# KiCad board demomatrix.kicad_pcb (continued)
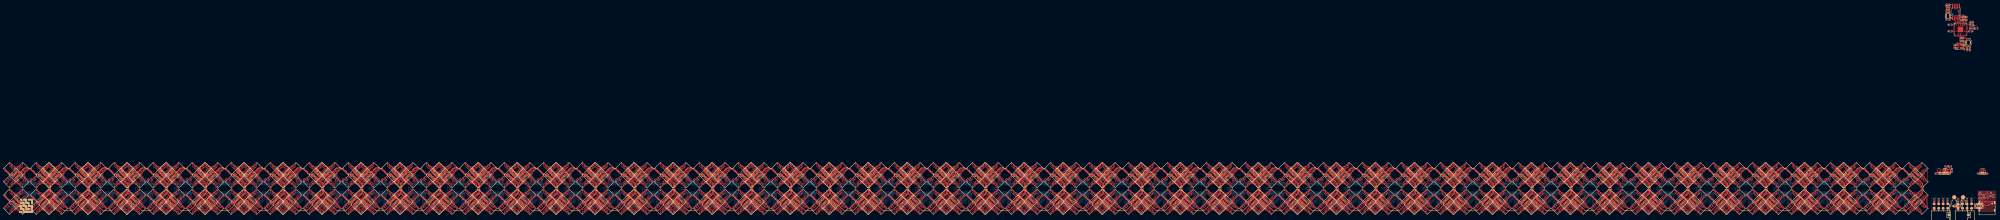
[diagram p0: board, top side]
## Routing (per net, layer and track width the routed paths; a pad name or vN(x,y) marks a point on that pad's centre or on a via; arc(x,y) is an arc through that point) (continued)
rgbs[3]-anodes-anode-645: length 12.8
  Top w0.2: LED743.1 -181.28,14.06 -181.28,14.1 -181.15,14.23 -181.22,14.31 -181.22,15.7 -183.37,17.85 -183.95,17.85 -184.64,17.17 -184.74,17.17 -185.43,17.85 -186.01,17.85 -186.8,17.06 -186.8,17.05 -186.86,16.99 -186.86,16.99 -188.16,15.7 -188.16,14.12 LED744.2
rgbs[3]-anodes-anode-646: length 3.9
  Top w0.2: LED743.5 -183.12,15.61 -184.11,15.61 -184.46,15.97 -184.92,15.97 -185.26,15.62 -186.46,15.62 LED744.6
rgbs[3]-anodes-anode-647: length 1.8
  Top w0.2: LED743.7 -183.9,16.53 -183.94,16.53 -184.11,16.37 -185.32,16.37 LED744.8
rgbs[3]-anodes-anode-648: length 9.5
  Top w0.2: LED748.4 -202.43,0.08 -202.43,0.87 -201.7,1.59 -201.69,1.59 -201.4,1.88 -201.4,1.89 -200.84,2.45 -200.59,2.45 -199.91,1.77 -199.47,1.77 -198.79,2.45 -198.54,2.45 -196.98,0.89 -196.98,0.08 -197.13,-0.07 -197.13,-0.1 LED747.3
rgbs[3]-anodes-anode-649: length 12.8
  Top w0.2: LED748.2 -203.16,-0.88 -203.16,0.7 -201.86,1.99 -201.86,1.99 -201.8,2.05 -201.8,2.06 -201.01,2.85 -200.43,2.85 -199.74,2.17 -199.64,2.17 -198.95,2.85 -198.37,2.85 -196.22,0.7 -196.22,-0.69 -196.15,-0.77 -196.28,-0.9 -196.28,-0.94 LED747.1
rgbs[3]-anodes-anode-650: length 3.9
  Top w0.2: LED747.5 -198.12,0.61 -199.11,0.61 -199.46,0.97 -199.92,0.97 -200.26,0.62 -201.46,0.62 LED748.6
rgbs[3]-anodes-anode-651: length 1.8
  Top w0.2: LED748.8 -200.32,1.37 -199.11,1.37 -198.94,1.53 -198.9,1.53 LED747.7
rgbs[3]-anodes-anode-652: length 9.5
  Top w0.2: LED751.3 -182.13,-0.1 -182.13,-0.07 -181.98,0.08 -181.98,0.89 -183.54,2.45 -183.79,2.45 -184.47,1.77 -184.91,1.77 -185.59,2.45 -185.84,2.45 -186.4,1.89 -186.4,1.88 -186.69,1.59 -186.7,1.59 -187.43,0.87 -187.43,0.08 LED752.4
rgbs[3]-anodes-anode-653: length 12.8
  Top w0.2: LED752.2 -188.16,-0.88 -188.16,0.7 -186.86,1.99 -186.86,1.99 -186.8,2.05 -186.8,2.06 -186.01,2.85 -185.43,2.85 -184.74,2.17 -184.64,2.17 -183.95,2.85 -183.37,2.85 -181.22,0.7 -181.22,-0.69 -181.15,-0.77 -181.28,-0.9 -181.28,-0.94 LED751.1
rgbs[3]-anodes-anode-654: length 3.9
  Top w0.2: LED751.5 -183.12,0.61 -184.11,0.61 -184.46,0.97 -184.92,0.97 -185.26,0.62 -186.46,0.62 LED752.6
rgbs[3]-anodes-anode-655: length 1.8
  Top w0.2: LED751.7 -183.9,1.53 -183.94,1.53 -184.11,1.37 -185.32,1.37 LED752.8
rgbs[3]-anodes-anode-656: length 9.5
  Top w0.2: LED755.3 -175.13,14.9 -175.13,14.93 -174.98,15.08 -174.98,15.89 -176.54,17.45 -176.79,17.45 -177.47,16.77 -177.91,16.77 -178.59,17.45 -178.84,17.45 -179.4,16.89 -179.4,16.88 -179.69,16.59 -179.7,16.59 -180.43,15.87 -180.43,15.08 LED756.4
rgbs[3]-anodes-anode-657: length 12.8
  Top w0.2: LED756.2 -181.16,14.12 -181.16,15.7 -179.86,16.99 -179.86,16.99 -179.8,17.05 -179.8,17.06 -179.01,17.85 -178.43,17.85 -177.74,17.17 -177.64,17.17 -176.95,17.85 -176.37,17.85 -174.22,15.7 -174.22,14.31 -174.15,14.23 -174.28,14.1 -174.28,14.06 LED755.1
rgbs[3]-anodes-anode-658: length 3.9
  Top w0.2: LED755.5 -176.12,15.61 -177.11,15.61 -177.46,15.97 -177.92,15.97 -178.26,15.62 -179.46,15.62 LED756.6
rgbs[3]-anodes-anode-659: length 1.8
  Top w0.2: LED755.7 -176.9,16.53 -176.94,16.53 -177.11,16.37 -178.32,16.37 LED756.8
rgbs[3]-anodes-anode-660: length 9.5
  Top w0.2: LED759.3 -160.13,14.9 -160.13,14.93 -159.98,15.08 -159.98,15.89 -161.54,17.45 -161.79,17.45 -162.47,16.77 -162.91,16.77 -163.59,17.45 -163.84,17.45 -164.4,16.89 -164.4,16.88 -164.69,16.59 -164.7,16.59 -165.43,15.87 -165.43,15.08 LED760.4
rgbs[3]-anodes-anode-661: length 12.8
  Top w0.2: LED759.1 -159.28,14.06 -159.28,14.1 -159.15,14.23 -159.22,14.31 -159.22,15.7 -161.37,17.85 -161.95,17.85 -162.64,17.17 -162.74,17.17 -163.43,17.85 -164.01,17.85 -164.8,17.06 -164.8,17.05 -164.86,16.99 -164.86,16.99 -166.16,15.7 -166.16,14.12 LED760.2
rgbs[3]-anodes-anode-662: length 3.9
  Top w0.2: LED759.5 -161.12,15.61 -162.11,15.61 -162.46,15.97 -162.92,15.97 -163.26,15.62 -164.46,15.62 LED760.6
rgbs[3]-anodes-anode-663: length 1.8
  Top w0.2: LED760.8 -163.32,16.37 -162.11,16.37 -161.94,16.53 -161.9,16.53 LED759.7
rgbs[3]-anodes-anode-664: length 9.5
  Top w0.2: LED763.3 -175.13,-0.1 -175.13,-0.07 -174.98,0.08 -174.98,0.89 -176.54,2.45 -176.79,2.45 -177.47,1.77 -177.91,1.77 -178.59,2.45 -178.84,2.45 -179.4,1.89 -179.4,1.88 -179.69,1.59 -179.7,1.59 -180.43,0.87 -180.43,0.08 LED764.4
rgbs[3]-anodes-anode-665: length 12.8
  Top w0.2: LED764.2 -181.16,-0.88 -181.16,0.7 -179.86,1.99 -179.86,1.99 -179.8,2.05 -179.8,2.06 -179.01,2.85 -178.43,2.85 -177.74,2.17 -177.64,2.17 -176.95,2.85 -176.37,2.85 -174.22,0.7 -174.22,-0.69 -174.15,-0.77 -174.28,-0.9 -174.28,-0.94 LED763.1
rgbs[3]-anodes-anode-666: length 3.9
  Top w0.2: LED763.5 -176.12,0.61 -177.11,0.61 -177.46,0.97 -177.92,0.97 -178.26,0.62 -179.46,0.62 LED764.6
rgbs[3]-anodes-anode-667: length 1.8
  Top w0.2: LED763.7 -176.9,1.53 -176.94,1.53 -177.11,1.37 -178.32,1.37 LED764.8
rgbs[3]-anodes-anode-668: length 9.5
  Top w0.2: LED768.4 -165.43,0.08 -165.43,0.87 -164.7,1.59 -164.69,1.59 -164.4,1.88 -164.4,1.89 -163.84,2.45 -163.59,2.45 -162.91,1.77 -162.47,1.77 -161.79,2.45 -161.54,2.45 -159.98,0.89 -159.98,0.08 -160.13,-0.07 -160.13,-0.1 LED767.3
rgbs[3]-anodes-anode-669: length 12.8
  Top w0.2: LED768.2 -166.16,-0.88 -166.16,0.7 -164.86,1.99 -164.86,1.99 -164.8,2.05 -164.8,2.06 -164.01,2.85 -163.43,2.85 -162.74,2.17 -162.64,2.17 -161.95,2.85 -161.37,2.85 -159.22,0.7 -159.22,-0.69 -159.15,-0.77 -159.28,-0.9 -159.28,-0.94 LED767.1
rgbs[3]-anodes-anode-670: length 3.9
  Top w0.2: LED768.6 -164.46,0.62 -163.26,0.62 -162.92,0.97 -162.46,0.97 -162.11,0.61 -161.12,0.61 LED767.5
rgbs[3]-anodes-anode-671: length 1.8
  Top w0.2: LED768.8 -163.32,1.37 -162.11,1.37 -161.94,1.53 -161.9,1.53 LED767.7
rgbs[3]-anodes-anode-672: length 9.5
  Top w0.2: LED772.4 -158.43,15.08 -158.43,15.87 -157.7,16.59 -157.69,16.59 -157.4,16.88 -157.4,16.89 -156.84,17.45 -156.59,17.45 -155.91,16.77 -155.47,16.77 -154.79,17.45 -154.54,17.45 -152.98,15.89 -152.98,15.08 -153.13,14.93 -153.13,14.9 LED771.3
rgbs[3]-anodes-anode-673: length 12.8
  Top w0.2: LED771.1 -152.28,14.06 -152.28,14.1 -152.15,14.23 -152.22,14.31 -152.22,15.7 -154.37,17.85 -154.95,17.85 -155.64,17.17 -155.74,17.17 -156.43,17.85 -157.01,17.85 -157.8,17.06 -157.8,17.05 -157.86,16.99 -157.86,16.99 -159.16,15.7 -159.16,14.12 LED772.2
rgbs[3]-anodes-anode-674: length 3.9
  Top w0.2: LED771.5 -154.12,15.61 -155.11,15.61 -155.46,15.97 -155.92,15.97 -156.26,15.62 -157.46,15.62 LED772.6
rgbs[3]-anodes-anode-675: length 1.8
  Top w0.2: LED771.7 -154.9,16.53 -154.94,16.53 -155.11,16.37 -156.32,16.37 LED772.8
rgbs[3]-anodes-anode-676: length 9.5
  Top w0.2: LED775.3 -138.13,14.9 -138.13,14.93 -137.98,15.08 -137.98,15.89 -139.54,17.45 -139.79,17.45 -140.47,16.77 -140.91,16.77 -141.59,17.45 -141.84,17.45 -142.4,16.89 -142.4,16.88 -142.69,16.59 -142.7,16.59 -143.43,15.87 -143.43,15.08 LED776.4
rgbs[3]-anodes-anode-677: length 12.8
  Top w0.2: LED775.1 -137.28,14.06 -137.28,14.1 -137.15,14.23 -137.22,14.31 -137.22,15.7 -139.37,17.85 -139.95,17.85 -140.64,17.17 -140.74,17.17 -141.43,17.85 -142.01,17.85 -142.8,17.06 -142.8,17.05 -142.86,16.99 -142.86,16.99 -144.16,15.7 -144.16,14.12 LED776.2
rgbs[3]-anodes-anode-678: length 3.9
  Top w0.2: LED776.6 -142.46,15.62 -141.26,15.62 -140.92,15.97 -140.46,15.97 -140.11,15.61 -139.12,15.61 LED775.5
rgbs[3]-anodes-anode-679: length 1.8
  Top w0.2: LED775.7 -139.9,16.53 -139.94,16.53 -140.11,16.37 -141.32,16.37 LED776.8
rgbs[3]-anodes-anode-680: length 9.5
  Top w0.2: LED780.4 -158.43,0.08 -158.43,0.87 -157.7,1.59 -157.69,1.59 -157.4,1.88 -157.4,1.89 -156.84,2.45 -156.59,2.45 -155.91,1.77 -155.47,1.77 -154.79,2.45 -154.54,2.45 -152.98,0.89 -152.98,0.08 -153.13,-0.07 -153.13,-0.1 LED779.3
rgbs[3]-anodes-anode-681: length 12.8
  Top w0.2: LED780.2 -159.16,-0.88 -159.16,0.7 -157.86,1.99 -157.86,1.99 -157.8,2.05 -157.8,2.06 -157.01,2.85 -156.43,2.85 -155.74,2.17 -155.64,2.17 -154.95,2.85 -154.37,2.85 -152.22,0.7 -152.22,-0.69 -152.15,-0.77 -152.28,-0.9 -152.28,-0.94 LED779.1
rgbs[3]-anodes-anode-682: length 3.9
  Top w0.2: LED780.6 -157.46,0.62 -156.26,0.62 -155.92,0.97 -155.46,0.97 -155.11,0.61 -154.12,0.61 LED779.5
rgbs[3]-anodes-anode-683: length 1.8
  Top w0.2: LED779.7 -154.9,1.53 -154.94,1.53 -155.11,1.37 -156.32,1.37 LED780.8
rgbs[3]-anodes-anode-684: length 9.5
  Top w0.2: LED784.4 -143.43,0.08 -143.43,0.87 -142.7,1.59 -142.69,1.59 -142.4,1.88 -142.4,1.89 -141.84,2.45 -141.59,2.45 -140.91,1.77 -140.47,1.77 -139.79,2.45 -139.54,2.45 -137.98,0.89 -137.98,0.08 -138.13,-0.07 -138.13,-0.1 LED783.3
rgbs[3]-anodes-anode-685: length 12.8
  Top w0.2: LED783.1 -137.28,-0.94 -137.28,-0.9 -137.15,-0.77 -137.22,-0.69 -137.22,0.7 -139.37,2.85 -139.95,2.85 -140.64,2.17 -140.74,2.17 -141.43,2.85 -142.01,2.85 -142.8,2.06 -142.8,2.05 -142.86,1.99 -142.86,1.99 -144.16,0.7 -144.16,-0.88 LED784.2
rgbs[3]-anodes-anode-686: length 3.9
  Top w0.2: LED784.6 -142.46,0.62 -141.26,0.62 -140.92,0.97 -140.46,0.97 -140.11,0.61 -139.12,0.61 LED783.5
rgbs[3]-anodes-anode-687: length 1.8
  Top w0.2: LED784.8 -141.32,1.37 -140.11,1.37 -139.94,1.53 -139.9,1.53 LED783.7
rgbs[3]-anodes-anode-688: length 9.5
  Top w0.2: LED68.4 -136.43,15.08 -136.43,15.87 -135.7,16.59 -135.69,16.59 -135.4,16.88 -135.4,16.89 -134.84,17.45 -134.59,17.45 -133.91,16.77 -133.47,16.77 -132.79,17.45 -132.54,17.45 -130.98,15.89 -130.98,15.08 -131.13,14.93 -131.13,14.9 LED67.3
rgbs[3]-anodes-anode-689: length 12.8
  Top w0.2: LED67.1 -130.28,14.06 -130.28,14.1 -130.15,14.23 -130.22,14.31 -130.22,15.7 -132.37,17.85 -132.95,17.85 -133.64,17.17 -133.74,17.17 -134.43,17.85 -135.01,17.85 -135.8,17.06 -135.8,17.05 -135.86,16.99 -135.86,16.99 -137.16,15.7 -137.16,14.12 LED68.2
rgbs[3]-anodes-anode-690: length 3.9
  Top w0.2: LED67.5 -132.12,15.61 -133.11,15.61 -133.46,15.97 -133.92,15.97 -134.26,15.62 -135.46,15.62 LED68.6
rgbs[3]-anodes-anode-691: length 1.8
  Top w0.2: LED68.8 -134.32,16.37 -133.11,16.37 -132.94,16.53 -132.9,16.53 LED67.7
rgbs[3]-anodes-anode-692: length 9.5
  Top w0.2: LED72.4 -121.43,15.08 -121.43,15.87 -120.7,16.59 -120.69,16.59 -120.4,16.88 -120.4,16.89 -119.84,17.45 -119.59,17.45 -118.91,16.77 -118.47,16.77 -117.79,17.45 -117.54,17.45 -115.98,15.89 -115.98,15.08 -116.13,14.93 -116.13,14.9 LED71.3
rgbs[3]-anodes-anode-693: length 12.8
  Top w0.2: LED72.2 -122.16,14.12 -122.16,15.7 -120.86,16.99 -120.86,16.99 -120.8,17.05 -120.8,17.06 -120.01,17.85 -119.43,17.85 -118.74,17.17 -118.64,17.17 -117.95,17.85 -117.37,17.85 -115.22,15.7 -115.22,14.31 -115.15,14.23 -115.28,14.1 -115.28,14.06 LED71.1
rgbs[3]-anodes-anode-694: length 3.9
  Top w0.2: LED71.5 -117.12,15.61 -118.11,15.61 -118.46,15.97 -118.92,15.97 -119.26,15.62 -120.46,15.62 LED72.6
rgbs[3]-anodes-anode-695: length 1.8
  Top w0.2: LED72.8 -119.32,16.37 -118.11,16.37 -117.94,16.53 -117.9,16.53 LED71.7
rgbs[3]-anodes-anode-696: length 9.5
  Top w0.2: LED76.4 -136.43,0.08 -136.43,0.87 -135.7,1.59 -135.69,1.59 -135.4,1.88 -135.4,1.89 -134.84,2.45 -134.59,2.45 -133.91,1.77 -133.47,1.77 -132.79,2.45 -132.54,2.45 -130.98,0.89 -130.98,0.08 -131.13,-0.07 -131.13,-0.1 LED75.3
rgbs[3]-anodes-anode-697: length 12.8
  Top w0.2: LED76.2 -137.16,-0.88 -137.16,0.7 -135.86,1.99 -135.86,1.99 -135.8,2.05 -135.8,2.06 -135.01,2.85 -134.43,2.85 -133.74,2.17 -133.64,2.17 -132.95,2.85 -132.37,2.85 -130.22,0.7 -130.22,-0.69 -130.15,-0.77 -130.28,-0.9 -130.28,-0.94 LED75.1
rgbs[3]-anodes-anode-698: length 3.9
  Top w0.2: LED76.6 -135.46,0.62 -134.26,0.62 -133.92,0.97 -133.46,0.97 -133.11,0.61 -132.12,0.61 LED75.5
rgbs[3]-anodes-anode-699: length 1.8
  Top w0.2: LED76.8 -134.32,1.37 -133.11,1.37 -132.94,1.53 -132.9,1.53 LED75.7
rgbs[3]-anodes-anode-700: length 9.5
  Top w0.2: LED79.3 -116.13,-0.1 -116.13,-0.07 -115.98,0.08 -115.98,0.89 -117.54,2.45 -117.79,2.45 -118.47,1.77 -118.91,1.77 -119.59,2.45 -119.84,2.45 -120.4,1.89 -120.4,1.88 -120.69,1.59 -120.7,1.59 -121.43,0.87 -121.43,0.08 LED80.4
rgbs[3]-anodes-anode-701: length 12.8
  Top w0.2: LED80.2 -122.16,-0.88 -122.16,0.7 -120.86,1.99 -120.86,1.99 -120.8,2.05 -120.8,2.06 -120.01,2.85 -119.43,2.85 -118.74,2.17 -118.64,2.17 -117.95,2.85 -117.37,2.85 -115.22,0.7 -115.22,-0.69 -115.15,-0.77 -115.28,-0.9 -115.28,-0.94 LED79.1
rgbs[3]-anodes-anode-702: length 3.9
  Top w0.2: LED79.5 -117.12,0.61 -118.11,0.61 -118.46,0.97 -118.92,0.97 -119.26,0.62 -120.46,0.62 LED80.6
rgbs[3]-anodes-anode-703: length 1.8
  Top w0.2: LED80.8 -119.32,1.37 -118.11,1.37 -117.94,1.53 -117.9,1.53 LED79.7
rgbs[3]-anodes-anode-704: length 9.5
  Top w0.2: LED84.4 -114.43,15.08 -114.43,15.87 -113.7,16.59 -113.69,16.59 -113.4,16.88 -113.4,16.89 -112.84,17.45 -112.59,17.45 -111.91,16.77 -111.47,16.77 -110.79,17.45 -110.54,17.45 -108.98,15.89 -108.98,15.08 -109.13,14.93 -109.13,14.9 LED83.3
rgbs[3]-anodes-anode-705: length 12.8
  Top w0.2: LED84.2 -115.16,14.12 -115.16,15.7 -113.86,16.99 -113.86,16.99 -113.8,17.05 -113.8,17.06 -113.01,17.85 -112.43,17.85 -111.74,17.17 -111.64,17.17 -110.95,17.85 -110.37,17.85 -108.22,15.7 -108.22,14.31 -108.15,14.23 -108.28,14.1 -108.28,14.06 LED83.1
rgbs[3]-anodes-anode-706: length 3.9
  Top w0.2: LED84.6 -113.46,15.62 -112.26,15.62 -111.92,15.97 -111.46,15.97 -111.11,15.61 -110.12,15.61 LED83.5
rgbs[3]-anodes-anode-707: length 1.8
  Top w0.2: LED83.7 -110.9,16.53 -110.94,16.53 -111.11,16.37 -112.32,16.37 LED84.8
rgbs[3]-anodes-anode-708: length 9.5
  Top w0.2: LED88.4 -99.43,15.08 -99.43,15.87 -98.7,16.59 -98.69,16.59 -98.4,16.88 -98.4,16.89 -97.84,17.45 -97.59,17.45 -96.91,16.77 -96.47,16.77 -95.79,17.45 -95.54,17.45 -93.98,15.89 -93.98,15.08 -94.13,14.93 -94.13,14.9 LED87.3
rgbs[3]-anodes-anode-709: length 12.8
  Top w0.2: LED88.2 -100.16,14.12 -100.16,15.7 -98.86,16.99 -98.86,16.99 -98.8,17.05 -98.8,17.06 -98.01,17.85 -97.43,17.85 -96.74,17.17 -96.64,17.17 -95.95,17.85 -95.37,17.85 -93.22,15.7 -93.22,14.31 -93.15,14.23 -93.28,14.1 -93.28,14.06 LED87.1
rgbs[3]-anodes-anode-710: length 3.9
  Top w0.2: LED87.5 -95.12,15.61 -96.11,15.61 -96.46,15.97 -96.92,15.97 -97.26,15.62 -98.46,15.62 LED88.6
rgbs[3]-anodes-anode-711: length 1.8
  Top w0.2: LED87.7 -95.9,16.53 -95.94,16.53 -96.11,16.37 -97.32,16.37 LED88.8
rgbs[3]-anodes-anode-712: length 9.5
  Top w0.2: LED92.4 -114.43,0.08 -114.43,0.87 -113.7,1.59 -113.69,1.59 -113.4,1.88 -113.4,1.89 -112.84,2.45 -112.59,2.45 -111.91,1.77 -111.47,1.77 -110.79,2.45 -110.54,2.45 -108.98,0.89 -108.98,0.08 -109.13,-0.07 -109.13,-0.1 LED91.3
rgbs[3]-anodes-anode-713: length 12.8
  Top w0.2: LED92.2 -115.16,-0.88 -115.16,0.7 -113.86,1.99 -113.86,1.99 -113.8,2.05 -113.8,2.06 -113.01,2.85 -112.43,2.85 -111.74,2.17 -111.64,2.17 -110.95,2.85 -110.37,2.85 -108.22,0.7 -108.22,-0.69 -108.15,-0.77 -108.28,-0.9 -108.28,-0.94 LED91.1
rgbs[3]-anodes-anode-714: length 3.9
  Top w0.2: LED92.6 -113.46,0.62 -112.26,0.62 -111.92,0.97 -111.46,0.97 -111.11,0.61 -110.12,0.61 LED91.5
rgbs[3]-anodes-anode-715: length 1.8
  Top w0.2: LED92.8 -112.32,1.37 -111.11,1.37 -110.94,1.53 -110.9,1.53 LED91.7
rgbs[3]-anodes-anode-716: length 9.5
  Top w0.2: LED96.4 -99.43,0.08 -99.43,0.87 -98.7,1.59 -98.69,1.59 -98.4,1.88 -98.4,1.89 -97.84,2.45 -97.59,2.45 -96.91,1.77 -96.47,1.77 -95.79,2.45 -95.54,2.45 -93.98,0.89 -93.98,0.08 -94.13,-0.07 -94.13,-0.1 LED95.3
rgbs[3]-anodes-anode-717: length 12.8
  Top w0.2: LED96.2 -100.16,-0.88 -100.16,0.7 -98.86,1.99 -98.86,1.99 -98.8,2.05 -98.8,2.06 -98.01,2.85 -97.43,2.85 -96.74,2.17 -96.64,2.17 -95.95,2.85 -95.37,2.85 -93.22,0.7 -93.22,-0.69 -93.15,-0.77 -93.28,-0.9 -93.28,-0.94 LED95.1
rgbs[3]-anodes-anode-718: length 3.9
  Top w0.2: LED96.6 -98.46,0.62 -97.26,0.62 -96.92,0.97 -96.46,0.97 -96.11,0.61 -95.12,0.61 LED95.5
rgbs[3]-anodes-anode-719: length 1.8
  Top w0.2: LED95.7 -95.9,1.53 -95.94,1.53 -96.11,1.37 -97.32,1.37 LED96.8
rgbs[3]-anodes-anode-720: length 9.5
  Top w0.2: LED100.4 -92.43,15.08 -92.43,15.87 -91.7,16.59 -91.69,16.59 -91.4,16.88 -91.4,16.89 -90.84,17.45 -90.59,17.45 -89.91,16.77 -89.47,16.77 -88.79,17.45 -88.54,17.45 -86.98,15.89 -86.98,15.08 -87.13,14.93 -87.13,14.9 LED99.3
rgbs[3]-anodes-anode-721: length 12.8
  Top w0.2: LED99.1 -86.28,14.06 -86.28,14.1 -86.15,14.23 -86.22,14.31 -86.22,15.7 -88.37,17.85 -88.95,17.85 -89.64,17.17 -89.74,17.17 -90.43,17.85 -91.01,17.85 -91.8,17.06 -91.8,17.05 -91.86,16.99 -91.86,16.99 -93.16,15.7 -93.16,14.12 LED100.2
rgbs[3]-anodes-anode-722: length 3.9
  Top w0.2: LED99.5 -88.12,15.61 -89.11,15.61 -89.46,15.97 -89.92,15.97 -90.26,15.62 -91.46,15.62 LED100.6
rgbs[3]-anodes-anode-723: length 1.8
  Top w0.2: LED100.8 -90.32,16.37 -89.11,16.37 -88.94,16.53 -88.9,16.53 LED99.7
rgbs[3]-anodes-anode-724: length 9.5
  Top w0.2: LED104.4 -77.43,15.08 -77.43,15.87 -76.7,16.59 -76.69,16.59 -76.4,16.88 -76.4,16.89 -75.84,17.45 -75.59,17.45 -74.91,16.77 -74.47,16.77 -73.79,17.45 -73.54,17.45 -71.98,15.89 -71.98,15.08 -72.13,14.93 -72.13,14.9 LED103.3
rgbs[3]-anodes-anode-725: length 12.8
  Top w0.2: LED104.2 -78.16,14.12 -78.16,15.7 -76.86,16.99 -76.86,16.99 -76.8,17.05 -76.8,17.06 -76.01,17.85 -75.43,17.85 -74.74,17.17 -74.64,17.17 -73.95,17.85 -73.37,17.85 -71.22,15.7 -71.22,14.31 -71.15,14.23 -71.28,14.1 -71.28,14.06 LED103.1
rgbs[3]-anodes-anode-726: length 3.9
  Top w0.2: LED103.5 -73.12,15.61 -74.11,15.61 -74.46,15.97 -74.92,15.97 -75.26,15.62 -76.46,15.62 LED104.6
rgbs[3]-anodes-anode-727: length 1.8
  Top w0.2: LED103.7 -73.9,16.53 -73.94,16.53 -74.11,16.37 -75.32,16.37 LED104.8
rgbs[3]-anodes-anode-728: length 9.5
  Top w0.2: LED107.3 -87.13,-0.1 -87.13,-0.07 -86.98,0.08 -86.98,0.89 -88.54,2.45 -88.79,2.45 -89.47,1.77 -89.91,1.77 -90.59,2.45 -90.84,2.45 -91.4,1.89 -91.4,1.88 -91.69,1.59 -91.7,1.59 -92.43,0.87 -92.43,0.08 LED108.4
rgbs[3]-anodes-anode-729: length 12.8
  Top w0.2: LED108.2 -93.16,-0.88 -93.16,0.7 -91.86,1.99 -91.86,1.99 -91.8,2.05 -91.8,2.06 -91.01,2.85 -90.43,2.85 -89.74,2.17 -89.64,2.17 -88.95,2.85 -88.37,2.85 -86.22,0.7 -86.22,-0.69 -86.15,-0.77 -86.28,-0.9 -86.28,-0.94 LED107.1
rgbs[3]-anodes-anode-730: length 3.9
  Top w0.2: LED108.6 -91.46,0.62 -90.26,0.62 -89.92,0.97 -89.46,0.97 -89.11,0.61 -88.12,0.61 LED107.5
rgbs[3]-anodes-anode-731: length 1.8
  Top w0.2: LED108.8 -90.32,1.37 -89.11,1.37 -88.94,1.53 -88.9,1.53 LED107.7
rgbs[3]-anodes-anode-732: length 9.5
  Top w0.2: LED112.4 -77.43,0.08 -77.43,0.87 -76.7,1.59 -76.69,1.59 -76.4,1.88 -76.4,1.89 -75.84,2.45 -75.59,2.45 -74.91,1.77 -74.47,1.77 -73.79,2.45 -73.54,2.45 -71.98,0.89 -71.98,0.08 -72.13,-0.07 -72.13,-0.1 LED111.3
rgbs[3]-anodes-anode-733: length 12.8
  Top w0.2: LED111.1 -71.28,-0.94 -71.28,-0.9 -71.15,-0.77 -71.22,-0.69 -71.22,0.7 -73.37,2.85 -73.95,2.85 -74.64,2.17 -74.74,2.17 -75.43,2.85 -76.01,2.85 -76.8,2.06 -76.8,2.05 -76.86,1.99 -76.86,1.99 -78.16,0.7 -78.16,-0.88 LED112.2
rgbs[3]-anodes-anode-734: length 3.9
  Top w0.2: LED112.6 -76.46,0.62 -75.26,0.62 -74.92,0.97 -74.46,0.97 -74.11,0.61 -73.12,0.61 LED111.5
rgbs[3]-anodes-anode-735: length 1.8
  Top w0.2: LED112.8 -75.32,1.37 -74.11,1.37 -73.94,1.53 -73.9,1.53 LED111.7
rgbs[3]-anodes-anode-736: length 9.5
  Top w0.2: LED115.3 -65.13,14.9 -65.13,14.93 -64.98,15.08 -64.98,15.89 -66.54,17.45 -66.79,17.45 -67.47,16.77 -67.91,16.77 -68.59,17.45 -68.84,17.45 -69.4,16.89 -69.4,16.88 -69.69,16.59 -69.7,16.59 -70.43,15.87 -70.43,15.08 LED116.4
rgbs[3]-anodes-anode-737: length 12.8
  Top w0.2: LED115.1 -64.28,14.06 -64.28,14.1 -64.15,14.23 -64.22,14.31 -64.22,15.7 -66.37,17.85 -66.95,17.85 -67.64,17.17 -67.74,17.17 -68.43,17.85 -69.01,17.85 -69.8,17.06 -69.8,17.05 -69.86,16.99 -69.86,16.99 -71.16,15.7 -71.16,14.12 LED116.2
rgbs[3]-anodes-anode-738: length 3.9
  Top w0.2: LED115.5 -66.12,15.61 -67.11,15.61 -67.46,15.97 -67.92,15.97 -68.26,15.62 -69.46,15.62 LED116.6
rgbs[3]-anodes-anode-739: length 1.8
  Top w0.2: LED115.7 -66.9,16.53 -66.94,16.53 -67.11,16.37 -68.32,16.37 LED116.8
rgbs[3]-anodes-anode-740: length 9.5
  Top w0.2: LED119.3 -50.13,14.9 -50.13,14.93 -49.98,15.08 -49.98,15.89 -51.54,17.45 -51.79,17.45 -52.47,16.77 -52.91,16.77 -53.59,17.45 -53.84,17.45 -54.4,16.89 -54.4,16.88 -54.69,16.59 -54.7,16.59 -55.43,15.87 -55.43,15.08 LED120.4
rgbs[3]-anodes-anode-741: length 12.8
  Top w0.2: LED120.2 -56.16,14.12 -56.16,15.7 -54.86,16.99 -54.86,16.99 -54.8,17.05 -54.8,17.06 -54.01,17.85 -53.43,17.85 -52.74,17.17 -52.64,17.17 -51.95,17.85 -51.37,17.85 -49.22,15.7 -49.22,14.31 -49.15,14.23 -49.28,14.1 -49.28,14.06 LED119.1
rgbs[3]-anodes-anode-742: length 3.9
  Top w0.2: LED119.5 -51.12,15.61 -52.11,15.61 -52.46,15.97 -52.92,15.97 -53.26,15.62 -54.46,15.62 LED120.6
rgbs[3]-anodes-anode-743: length 1.8
  Top w0.2: LED119.7 -51.9,16.53 -51.94,16.53 -52.11,16.37 -53.32,16.37 LED120.8
rgbs[3]-anodes-anode-744: length 9.5
  Top w0.2: LED123.3 -65.13,-0.1 -65.13,-0.07 -64.98,0.08 -64.98,0.89 -66.54,2.45 -66.79,2.45 -67.47,1.77 -67.91,1.77 -68.59,2.45 -68.84,2.45 -69.4,1.89 -69.4,1.88 -69.69,1.59 -69.7,1.59 -70.43,0.87 -70.43,0.08 LED124.4
rgbs[3]-anodes-anode-745: length 12.8
  Top w0.2: LED124.2 -71.16,-0.88 -71.16,0.7 -69.86,1.99 -69.86,1.99 -69.8,2.05 -69.8,2.06 -69.01,2.85 -68.43,2.85 -67.74,2.17 -67.64,2.17 -66.95,2.85 -66.37,2.85 -64.22,0.7 -64.22,-0.69 -64.15,-0.77 -64.28,-0.9 -64.28,-0.94 LED123.1
rgbs[3]-anodes-anode-746: length 3.9
  Top w0.2: LED123.5 -66.12,0.61 -67.11,0.61 -67.46,0.97 -67.92,0.97 -68.26,0.62 -69.46,0.62 LED124.6
rgbs[3]-anodes-anode-747: length 1.8
  Top w0.2: LED123.7 -66.9,1.53 -66.94,1.53 -67.11,1.37 -68.32,1.37 LED124.8
rgbs[3]-anodes-anode-748: length 9.5
  Top w0.2: LED127.3 -50.13,-0.1 -50.13,-0.07 -49.98,0.08 -49.98,0.89 -51.54,2.45 -51.79,2.45 -52.47,1.77 -52.91,1.77 -53.59,2.45 -53.84,2.45 -54.4,1.89 -54.4,1.88 -54.69,1.59 -54.7,1.59 -55.43,0.87 -55.43,0.08 LED128.4
rgbs[3]-anodes-anode-749: length 12.8
  Top w0.2: LED128.2 -56.16,-0.88 -56.16,0.7 -54.86,1.99 -54.86,1.99 -54.8,2.05 -54.8,2.06 -54.01,2.85 -53.43,2.85 -52.74,2.17 -52.64,2.17 -51.95,2.85 -51.37,2.85 -49.22,0.7 -49.22,-0.69 -49.15,-0.77 -49.28,-0.9 -49.28,-0.94 LED127.1
rgbs[3]-anodes-anode-750: length 3.9
  Top w0.2: LED127.5 -51.12,0.61 -52.11,0.61 -52.46,0.97 -52.92,0.97 -53.26,0.62 -54.46,0.62 LED128.6
rgbs[3]-anodes-anode-751: length 1.8
  Top w0.2: LED127.7 -51.9,1.53 -51.94,1.53 -52.11,1.37 -53.32,1.37 LED128.8
rgbs[3]-anodes-anode-752: length 9.5
  Top w0.2: LED132.4 -48.43,15.08 -48.43,15.87 -47.7,16.59 -47.69,16.59 -47.4,16.88 -47.4,16.89 -46.84,17.45 -46.59,17.45 -45.91,16.77 -45.47,16.77 -44.79,17.45 -44.54,17.45 -42.98,15.89 -42.98,15.08 -43.13,14.93 -43.13,14.9 LED131.3
rgbs[3]-anodes-anode-753: length 12.8
  Top w0.2: LED132.2 -49.16,14.12 -49.16,15.7 -47.86,16.99 -47.86,16.99 -47.8,17.05 -47.8,17.06 -47.01,17.85 -46.43,17.85 -45.74,17.17 -45.64,17.17 -44.95,17.85 -44.37,17.85 -42.22,15.7 -42.22,14.31 -42.15,14.23 -42.28,14.1 -42.28,14.06 LED131.1
rgbs[3]-anodes-anode-754: length 3.9
  Top w0.2: LED131.5 -44.12,15.61 -45.11,15.61 -45.46,15.97 -45.92,15.97 -46.26,15.62 -47.46,15.62 LED132.6
rgbs[3]-anodes-anode-755: length 1.8
  Top w0.2: LED132.8 -46.32,16.37 -45.11,16.37 -44.94,16.53 -44.9,16.53 LED131.7
rgbs[3]-anodes-anode-756: length 9.5
  Top w0.2: LED135.3 -28.13,14.9 -28.13,14.93 -27.98,15.08 -27.98,15.89 -29.54,17.45 -29.79,17.45 -30.47,16.77 -30.91,16.77 -31.59,17.45 -31.84,17.45 -32.4,16.89 -32.4,16.88 -32.69,16.59 -32.7,16.59 -33.43,15.87 -33.43,15.08 LED136.4
rgbs[3]-anodes-anode-757: length 12.8
  Top w0.2: LED136.2 -34.16,14.12 -34.16,15.7 -32.86,16.99 -32.86,16.99 -32.8,17.05 -32.8,17.06 -32.01,17.85 -31.43,17.85 -30.74,17.17 -30.64,17.17 -29.95,17.85 -29.37,17.85 -27.22,15.7 -27.22,14.31 -27.15,14.23 -27.28,14.1 -27.28,14.06 LED135.1
rgbs[3]-anodes-anode-758: length 3.9
  Top w0.2: LED135.5 -29.12,15.61 -30.11,15.61 -30.46,15.97 -30.92,15.97 -31.26,15.62 -32.46,15.62 LED136.6
rgbs[3]-anodes-anode-759: length 1.8
  Top w0.2: LED135.7 -29.9,16.53 -29.94,16.53 -30.11,16.37 -31.32,16.37 LED136.8
rgbs[3]-anodes-anode-760: length 9.5
  Top w0.2: LED140.4 -48.43,0.08 -48.43,0.87 -47.7,1.59 -47.69,1.59 -47.4,1.88 -47.4,1.89 -46.84,2.45 -46.59,2.45 -45.91,1.77 -45.47,1.77 -44.79,2.45 -44.54,2.45 -42.98,0.89 -42.98,0.08 -43.13,-0.07 -43.13,-0.1 LED139.3
rgbs[3]-anodes-anode-761: length 12.8
  Top w0.2: LED140.2 -49.16,-0.88 -49.16,0.7 -47.86,1.99 -47.86,1.99 -47.8,2.05 -47.8,2.06 -47.01,2.85 -46.43,2.85 -45.74,2.17 -45.64,2.17 -44.95,2.85 -44.37,2.85 -42.22,0.7 -42.22,-0.69 -42.15,-0.77 -42.28,-0.9 -42.28,-0.94 LED139.1
rgbs[3]-anodes-anode-762: length 3.9
  Top w0.2: LED139.5 -44.12,0.61 -45.11,0.61 -45.46,0.97 -45.92,0.97 -46.26,0.62 -47.46,0.62 LED140.6
rgbs[3]-anodes-anode-763: length 1.8
  Top w0.2: LED140.8 -46.32,1.37 -45.11,1.37 -44.94,1.53 -44.9,1.53 LED139.7
rgbs[3]-anodes-anode-764: length 9.5
  Top w0.2: LED143.3 -28.13,-0.1 -28.13,-0.07 -27.98,0.08 -27.98,0.89 -29.54,2.45 -29.79,2.45 -30.47,1.77 -30.91,1.77 -31.59,2.45 -31.84,2.45 -32.4,1.89 -32.4,1.88 -32.69,1.59 -32.7,1.59 -33.43,0.87 -33.43,0.08 LED144.4
rgbs[3]-anodes-anode-765: length 12.8
  Top w0.2: LED144.2 -34.16,-0.88 -34.16,0.7 -32.86,1.99 -32.86,1.99 -32.8,2.05 -32.8,2.06 -32.01,2.85 -31.43,2.85 -30.74,2.17 -30.64,2.17 -29.95,2.85 -29.37,2.85 -27.22,0.7 -27.22,-0.69 -27.15,-0.77 -27.28,-0.9 -27.28,-0.94 LED143.1